# Altium PCB JDR2812（公开）.PcbDoc (part 1 of 3) (continued)
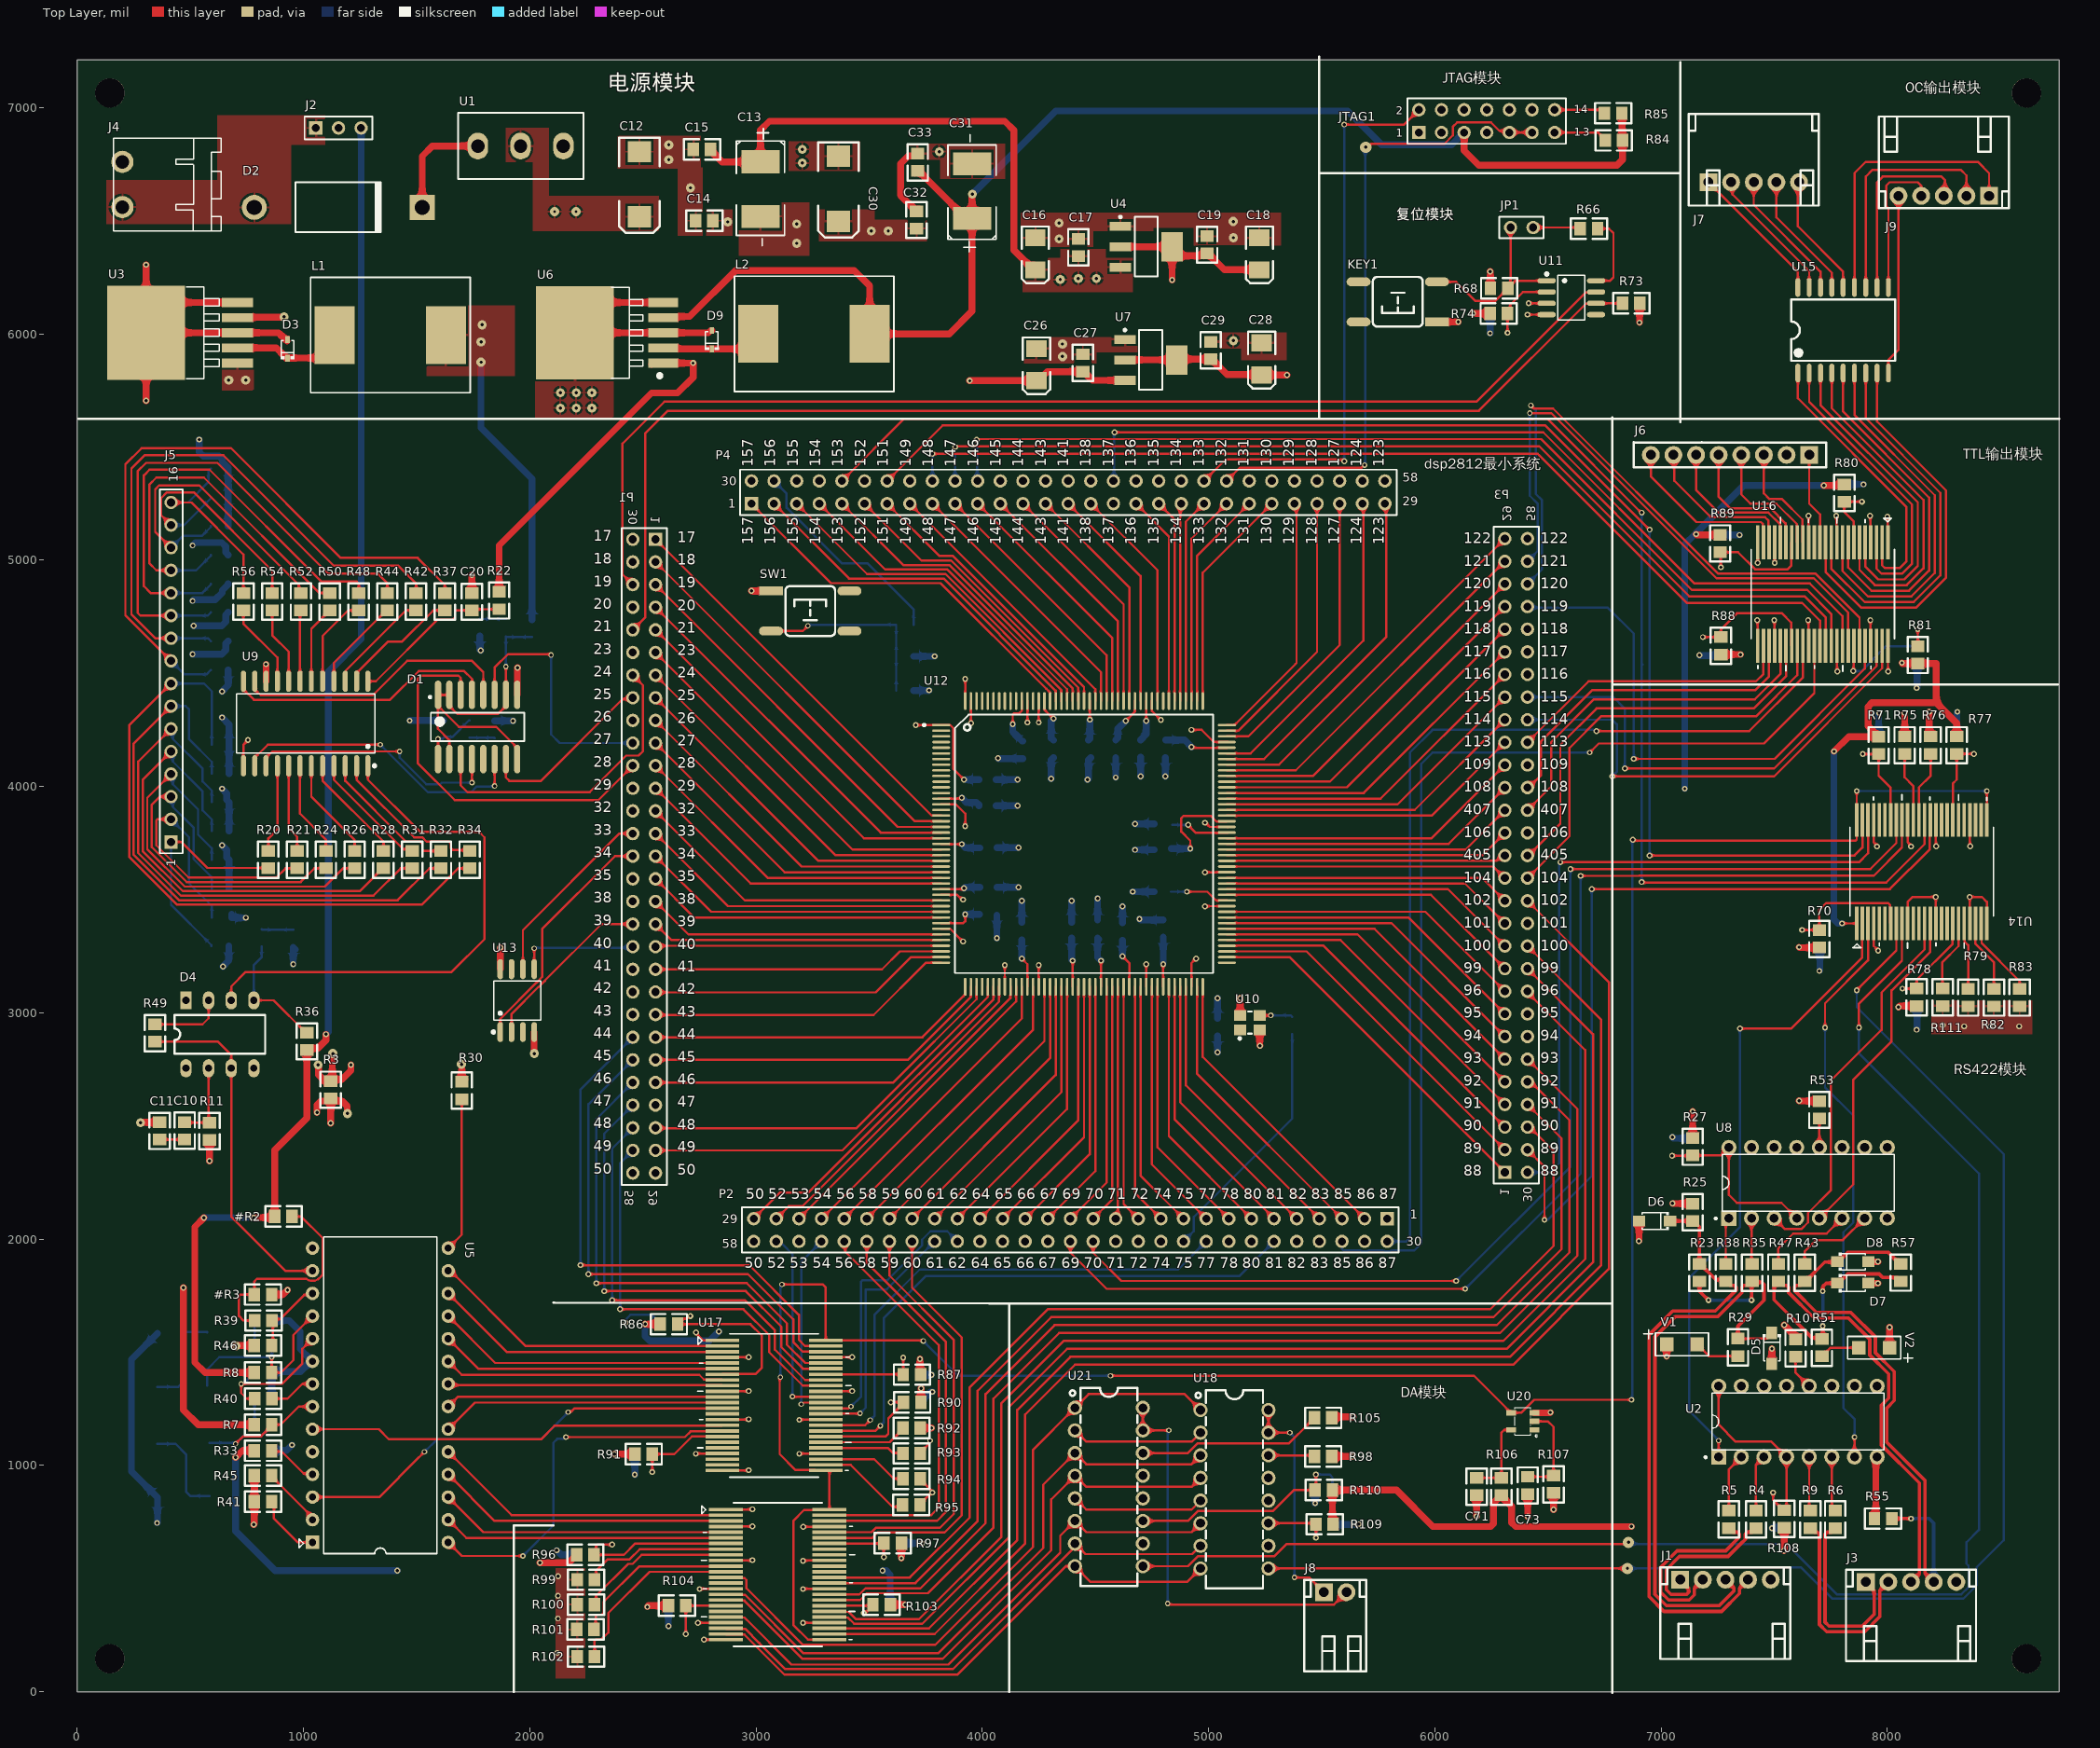
[diagram p0: Top Layer view]
## Footprints (in the part's own frame and the unit in brackets; to place one, negate y for a bottom-side part, rotate by r counter-clockwise, add the part's x,y. Pads: shape width x height; smd on the part's side, far side on the other; paste and mask are expansions set on the pad) (continued)
  silkscreen extent -8.61,-8.05 8.66,8.05
CQFP172 [mm]
  oval 2x0.28 smd: 1(0,0) 2(0,-0.635) 3(0,-1.27) 4(0,-1.905) 5(0,-2.54) 6(0,-3.175) 7(0,-3.81) 8(0,-4.445) 9(0,-5.08) 10(0,-5.715) 11(0,-6.35) 12(0,-6.985) 13(0,-7.62) 14(0,-8.255) 15(0,-8.89) 16(0,-9.525) 17(0,-10.16) 18(0,-10.795) 19(0,-11.43) 20(0,-12.065) 21(0,-12.7) 22(0,-13.335) 23(0,-13.97) 24(0,-14.605) 25(0,-15.24) 26(0,-15.875) 27(0,-16.51) 28(0,-17.145) 29(0,-17.78) 30(0,-18.415) 31(0,-19.05) 32(0,-19.685) 33(0,-20.32) 34(0,-20.955) 35(0,-21.59) 36(0,-22.225) 37(0,-22.86) 38(0,-23.495) 39(0,-24.13) 40(0,-24.765) 41(0,-25.4) 42(0,-26.035) 43(0,-26.67) 87(32.07,-26.67) 88(32.07,-26.035) 89(32.07,-25.4) 90(32.07,-24.765) 91(32.07,-24.13) 92(32.07,-23.495) 93(32.07,-22.86) 94(32.07,-22.225) 95(32.07,-21.59) 96(32.07,-20.955) 97(32.07,-20.32) 98(32.07,-19.685) 99(32.07,-19.05) 100(32.07,-18.415) 101(32.07,-17.78) 102(32.07,-17.145) 103(32.07,-16.51) 104(32.07,-15.875) 105(32.07,-15.24) 106(32.07,-14.605) 107(32.07,-13.97) 108(32.07,-13.335) 109(32.07,-12.7) 110(32.07,-12.065) 111(32.07,-11.43) 112(32.07,-10.795) 113(32.07,-10.16) 114(32.07,-9.525) 115(32.07,-8.89) 116(32.07,-8.255) 117(32.07,-7.62) 118(32.07,-6.985) 119(32.07,-6.35) 120(32.07,-5.715) 121(32.07,-5.08) 122(32.07,-4.445) 123(32.07,-3.81) 124(32.07,-3.175) 125(32.07,-2.54) 126(32.07,-1.905) 127(32.07,-1.27) 128(32.07,-0.635) 129(32.07,0)
  oval 0.28x2 smd: 44(2.7,-29.37) 45(3.335,-29.37) 46(3.97,-29.37) 47(4.605,-29.37) 48(5.24,-29.37) 49(5.875,-29.37) 50(6.51,-29.37) 51(7.145,-29.37) 52(7.78,-29.37) 53(8.415,-29.37) 54(9.05,-29.37) 55(9.685,-29.37) 56(10.32,-29.37) 57(10.955,-29.37) 58(11.59,-29.37) 59(12.225,-29.37) 60(12.86,-29.37) 61(13.495,-29.37) 62(14.13,-29.37) 63(14.765,-29.37) 64(15.4,-29.37) 65(16.035,-29.37) 66(16.67,-29.37) 67(17.305,-29.37) 68(17.94,-29.37) 69(18.575,-29.37) 70(19.21,-29.37) 71(19.845,-29.37) 72(20.48,-29.37) 73(21.115,-29.37) 74(21.75,-29.37) 75(22.385,-29.37) 76(23.02,-29.37) 77(23.655,-29.37) 78(24.29,-29.37) 79(24.925,-29.37) 80(25.56,-29.37) 81(26.195,-29.37) 82(26.83,-29.37) 83(27.465,-29.37) 84(28.1,-29.37) 85(28.735,-29.37) 86(29.37,-29.37) 130(29.37,2.7) 131(28.735,2.7) 132(28.1,2.7) 133(27.465,2.7) 134(26.83,2.7) 135(26.195,2.7) 136(25.56,2.7) 137(24.925,2.7) 138(24.29,2.7) 139(23.655,2.7) 140(23.02,2.7) 141(22.385,2.7) 142(21.75,2.7) 143(21.115,2.7) 144(20.48,2.7) 145(19.845,2.7) 146(19.21,2.7) 147(18.575,2.7) 148(17.94,2.7) 149(17.305,2.7) 150(16.67,2.7) 151(16.035,2.7) 152(15.4,2.7) 153(14.765,2.7) 154(14.13,2.7) 155(13.495,2.7) 156(12.86,2.7) 157(12.225,2.7) 158(11.59,2.7) 159(10.955,2.7) 160(10.32,2.7) 161(9.685,2.7) 162(9.05,2.7) 163(8.415,2.7) 164(7.78,2.7) 165(7.145,2.7) 166(6.51,2.7) 167(5.875,2.7) 168(5.24,2.7) 169(4.605,2.7) 170(3.97,2.7) 171(3.335,2.7) 172(2.7,2.7)
  silkscreen extent -2.03,-27.83 30.53,1.17
DIP8 [mil]
  rect 50x80 hole 32: 1(-149,155)
  oval 50x80 hole 32: 2(-49,155) 3(51,155) 4(151,155) 5(151,-145) 6(51,-145) 7(-49,-145) 8(-149,-145)
  silkscreen extent -199,-80 201,90
DIP28 [mm]
  rect 1.5x1.5 hole 0.813: 1(0,0)
  round 1.5 hole 0.813: 2(0,2.54) 3(0,5.08) 4(0,7.62) 5(0,10.16) 6(0,12.7) 7(0,15.24) 8(0,17.78) 9(0,20.32) 10(0,22.86) 11(0,25.4) 12(0,27.94) 13(0,30.48) 14(0,33.02) 15(15.24,33.02) 16(15.24,30.48) 17(15.24,27.94) 18(15.24,25.4) 19(15.24,22.86) 20(15.24,20.32) 21(15.24,17.78) 22(15.24,15.24) 23(15.24,12.7) 24(15.24,10.16) 25(15.24,7.62) 26(15.24,5.08) 27(15.24,2.54) 28(15.24,0)
  silkscreen extent -1.52,-1.27 13.97,34.29
DO-201AD [mm]
  round 2.8 hole 1.7: 1(-9.064,0.229)
  rect 2.8x2.8 hole 1.7: 2(9.776,0.229)
  silkscreen extent -4.44,-2.57 5.26,3.03
HDR1X3 [mm] "Connector; Header; 3 Position"
  rect 1.5x1.5 hole 0.9: 1(0,0)
  round 1.5 hole 0.9: 2(2.54,0) 3(5.08,0)
  silkscreen extent -1.27,-1.27 6.35,1.27
HDR2X6 [mm] "Connector; Header; 6x2 Position"
  rect 1.5x1.5 hole 0.9: 1(0,0)
  round 1.5 hole 0.9: 2(0,2.54) 3(2.54,0) 4(2.54,2.54) 5(5.08,0) 6(5.08,2.54) 7(7.62,0) 8(7.62,2.54) 9(10.16,0) 10(10.16,2.54) 11(12.7,0) 12(12.7,2.54) 13(15.24,0) 14(15.24,2.54)
  silkscreen extent -1.27,-1.27 16.51,3.81
header8 [mm] "长：14."
  rect 2x2 hole 1.1: 1(-5.08,0)
  round 2 hole 1.1: 2(-2.54,0) 3(0,0) 4(2.54,0) 5(5.08,0) 6(7.62,0) 7(10.16,0) 8(12.7,0)
  silkscreen extent -7,-1.42 14.6,1.39
KAIGUAN [mm]
  oval 2.3x3 hole 1.5: 1(-4.826,0.025) 2(-0.026,0.025) 3(4.774,0.025)
  silkscreen extent -7.04,-3.66 7.04,3.76
KF2EDGK-2.54-WI-2P [mm] "长：6.93mm，宽：10.1mm，高：8.1mm"
  rect 2x2 hole 1.1: 1(2.22,8.898)
  round 2 hole 1.1: 2(4.76,8.898)
  silkscreen extent 0,0 6.98,10.28, body extent 0,0 6.98,10.1, height 8.15
KF2EDGK-2.54-WI-5P#1 [mm] "长：14.6mm，宽：10.1mm，高：8.1mm"
  rect 2x2 hole 1.1: 1(-5.08,0)
  round 2 hole 1.1: 2(-2.54,0) 3(0,0) 4(2.54,0) 5(5.08,0)
  silkscreen extent -7.3,-8.9 7.3,1.39, body extent -7.3,-8.9 7.3,1.2, height 8.15
KF2EDGK-2.54-WI-5P#2 [mm] "长：14.6mm，宽：10.1mm，高：8.1mm"
  rect 2x2 hole 1.1: 1(-5.08,-6.284)
  round 2 hole 1.1: 2(-2.54,-6.284) 3(0,-6.284) 4(2.54,-6.284) 5(5.08,-6.284)
  silkscreen extent -7.3,-8.9 7.3,1.39, body extent -7.3,-8.9 7.3,1.2, height 8.15
OSC-SMD_4P-L3.2-W2.5-BL-1 [mm]
  rect 1.4x1.2 smd paste+0 mask+0.05: 1(-1193.1,-1192.695) 2(-1190.9,-1192.695) 3(-1190.9,-1191.095) 4(-1193.1,-1191.095)
  silkscreen extent -1193.27,-1193.8 -1191.83,-1190.64
PDIP-16_L19.3-W6.4-P2.54-LS7.9-BL [mm]
  rect 1.7x1.7 hole 1: 1(-1192.23,-1192.95)
  round 1.7 hole 1 copper offset 0,0: 2(-1189.69,-1192.95) 3(-1187.15,-1192.95) 4(-1184.61,-1192.95) 5(-1182.07,-1192.95) 6(-1179.53,-1192.95) 7(-1176.99,-1192.95) 8(-1174.45,-1192.95)
  round 1.7 hole 1: 9(-1174.45,-1185.01) 10(-1176.99,-1185.01) 11(-1179.53,-1185.01) 12(-1182.07,-1185.01) 13(-1184.61,-1185.01) 14(-1187.15,-1185.01) 15(-1189.69,-1185.01) 16(-1192.23,-1185.01)
  silkscreen extent -1193.8,-1193.08 -1173.69,-1185.78
PDIP-16_L22.1-W6.3-P2.54-LS7.6-BL [mm]
  round 1.6 hole 1: 1(-1191.403,-1192.94) 2(-1188.863,-1192.94) 3(-1186.323,-1192.94) 4(-1183.783,-1192.94) 5(-1181.243,-1192.94) 6(-1178.703,-1192.94) 7(-1176.163,-1192.94) 8(-1173.623,-1192.94) 9(-1173.623,-1185.32) 10(-1176.163,-1185.32) 11(-1178.703,-1185.32) 12(-1181.243,-1185.32) 13(-1183.783,-1185.32) 14(-1186.323,-1185.32) 15(-1188.863,-1185.32) 16(-1191.403,-1185.32)
  silkscreen extent -1193.61,-1193.51 -1171.41,-1185.93
R0805#1 [mm]
  rect 1.3x1.5 smd: 1(-0.96,-0.102) 2(0.991,-0.102)
  silkscreen extent -2.03,-1.24 2.04,1.04
R0805#2 [mm]
  rect 1.3x1.5 smd: 1(-0.96,0.102) 2(0.991,0.102)
  silkscreen extent -2.03,-1.04 2.04,1.24
SHC1004 [mm]
  rect 4.5x6.5 smd: 1(0,0) 2(12.522,0)
  silkscreen extent -2.67,-6.48 15.24,6.48
SOD-123FL_L2.7-W1.8-LS3.8-RD [mm]
  rect 1.4x1.2 smd: 1(-1193.1,-1192.798) 2(-1189.63,-1192.798)
  silkscreen extent -1192.97,-1193.8 -1189.99,-1191.8
SOD-323_L1.7-W1.3-LS2.5-FD [mm]
  rect 0.78x0.5 smd: 1(-1193.41,-1193.023) 2(-1191.33,-1193.023)
  silkscreen extent -1193.3,-1193.8 -1191.22,-1192.25
SOIC-8_L4.9-W3.9-P1.27-LS6.0-BL [mm]
  oval 0.588x2.045 smd: 1(-1192.903,-1192.777) 2(-1191.633,-1192.777) 3(-1190.363,-1192.777) 4(-1189.093,-1192.777) 5(-1189.093,-1187.233) 6(-1190.363,-1187.233) 7(-1191.633,-1187.233) 8(-1192.903,-1187.233)
  silkscreen extent -1193.8,-1192.93 -1188.47,-1188.48
SOIC-8_L5.3-W5.3-P1.27-LS8.0-BL [mm]
  oval 0.63x2.25 smd: 1(-1192.883,-1192.675) 2(-1191.613,-1192.675) 3(-1190.343,-1192.675) 4(-1189.073,-1192.675) 5(-1189.073,-1185.615) 6(-1190.343,-1185.615) 7(-1191.613,-1185.615) 8(-1192.883,-1185.615)
  silkscreen extent -1193.8,-1192.82 -1188.34,-1186.97
SOIC-18_L11.6-W7.5-P1.27-LS10.3-BL [mm]
  oval 0.56x2.1 smd: 1(-1193.038,-1192.75) 2(-1191.768,-1192.75) 3(-1190.498,-1192.75) 4(-1189.228,-1192.75) 5(-1187.958,-1192.75) 6(-1186.688,-1192.75) 7(-1185.418,-1192.75) 8(-1184.148,-1192.75) 9(-1182.878,-1192.75) 10(-1182.878,-1183.15) 11(-1184.148,-1183.15) 12(-1185.418,-1183.15) 13(-1186.688,-1183.15) 14(-1187.958,-1183.15) 15(-1189.228,-1183.15) 16(-1190.498,-1183.15) 17(-1191.768,-1183.15) 18(-1193.038,-1183.15)
  silkscreen extent -1193.8,-1191.38 -1182.12,-1184.52
SOIC-24_L15.4-W7.5-P1.27-LS10.3-BL [mil]
  oval 22.6x94.02 smd: 1(-46964.98,46952.99) 2(-46914.98,46952.99) 3(-46864.98,46952.99) 4(-46814.98,46952.99) 5(-46764.98,46952.99) 6(-46714.98,46952.99) 7(-46664.98,46952.99) 8(-46614.98,46952.99) 9(-46564.98,46952.99) 10(-46514.98,46952.99) 11(-46464.98,46952.99) 12(-46414.98,46952.99) 13(-46414.98,46579.45) 14(-46464.98,46579.45) 15(-46514.98,46579.45) 16(-46564.98,46579.45) 17(-46614.98,46579.45) 18(-46664.98,46579.45) 19(-46714.98,46579.45) 20(-46764.98,46579.45) 21(-46814.98,46579.45) 22(-46864.98,46579.45) 23(-46914.98,46579.45) 24(-46964.98,46579.45)
  silkscreen extent -47000,46635 -46384,46959
SOP16 [mm]
  oval 3.2x0.7 smd: 1(2.162,-1.524) 2(2.162,-0.254) 3(2.162,1.016) 4(2.162,2.286) 5(2.162,3.556) 6(2.162,4.826) 7(2.162,6.096) 8(2.162,7.366) 9(9.37,7.366) 10(9.37,6.096) 11(9.37,4.826) 12(9.37,3.556) 13(9.37,2.286) 14(9.37,1.016) 15(9.37,-0.254) 16(9.37,-1.524)
  silkscreen extent 2.29,-2.55 7.37,8.17
SOT223 [mm]
  rect 2.4x1 smd: 1(-2.9,2.427) 2(-2.9,0.127) 3(-2.9,-2.173)
  rect 2.4x3.3 smd: 2(2.9,0.127)
  silkscreen extent -3.02,-3.22 1.3,3.6
SOT-23-5_L3.0-W1.7-P0.95-LS2.8-BR [mm]
  rect 1.1x0.6 smd: 1(-1190.65,-1192.972) 2(-1190.65,-1192.022) 3(-1190.65,-1191.072) 4(-1193.25,-1191.072) 5(-1193.25,-1192.972)
  silkscreen extent -1192.85,-1193.8 -1190.3,-1190.47
TO-263-5_L10.1-W8.7-P1.70-LS14.4-BR [mm]
  rect 3.359x1.02 smd: 1(-1179.553,-1191.984) 2(-1179.553,-1190.284) 3(-1179.553,-1188.584) 4(-1179.553,-1186.884) 5(-1179.553,-1185.184)
  rect 8.7x10.431 smd: 6(-1189.45,-1188.584)
  silkscreen extent -1185.38,-1193.68 -1179.73,-1183.49
TO-263-5_L10.2-W8.6-P1.70-LS14.4-BR [mm]
  rect 3.5x1.02 smd: 1(-1179.195,-1191.906) 2(-1179.195,-1190.206) 3(-1179.195,-1188.506) 4(-1179.195,-1186.806) 5(-1179.195,-1185.106)
  rect 8.705x10.587 smd: 6(-1189.447,-1188.506)
  silkscreen extent -1184.94,-1193.67 -1181.21,-1183.34
"TSW SMD-6*6*6" [mm] "6*6*6mm"
  rect 2.7x1 smd: 1(-4.4,2.261)
  oval 2.7x1 smd: 2(-4.4,-2.239) 3(4.4,-2.239) 4(4.4,2.261)
  silkscreen extent -2.79,-2.79 2.79,2.79, body extent -4.5,-3 4.5,3, height 5.95
"钽电容 B壳(3528)" [mil]
  rect 75x90 smd: 1(-68.87,-0.01) 2(72.86,-0.01)
  silkscreen extent -128,-60 122,60, body extent -67,-55 71,55, height 75
"钽电容 C壳(6032)" [mm]
  rect 2.2x2.2 smd: 1(-3,0) 2(3,0)
  silkscreen extent -4.7,-1.78 4.44,1.78, body extent -3,-1.6 3,1.6, height 2.5
"钽电容 D壳(7343)" [mm]
  rect 2.6x4.3 smd: 1(-2.834,-6.004) 2(3.301,-6.004)
  silkscreen extent -6.59,-8.7 6.56,-3.3
"钽电容 E壳(7342H)" [mm]
  rect 2.4x2.6 smd: 1(-3.625,0) 2(3.675,0)
  silkscreen extent -5.44,-2.29 5.23,2.29, body extent -3.62,-2.15 3.68,2.15, height 4

## Part data
#R2 #R3 R4 R5 R6 R7 R8 R9 R12 R13 R14 R15 R16 R17 R18 R19 R20 R21 R22 R24 R26 R27 R28 R30 R31 R32 R33 R34 R37 R39 R40 R41 R42 R44 R45 R46 R48 R49 R50 R52 R53 R54 R56 R58 R59 R60 R61 R62 R63 R64 R65 R66 R73 R74 R84 R85 R88 R89 R98 R105 R106 R108 R109 R110: library part R0805, 1_器件名称=片式电阻器, 4_封装=R0805
  #R2 #R3: 2_型号规格=RM2012MBXXXFM
  R4 R5 R6 R7 R8 R9 R12 R13 R14 R15 R16 R17 R18 R19 R20 R21 R22 R24 R26 R27 R28 R30 R31 R32 R33 R34 R37 R40 R41 R42 R44 R45 R46 R48 R50 R52 R53 R54 R56 R58 R59 R60 R61 R62 R63 R64 R65 R66 R73 R74 R84 R85 R88 R89 R98 R105 R106 R108 R109 R110: 2_型号规格=RM2012MB510FM
  R39: 2_型号规格=RM2012MB0FM
  R49: 2_型号规格=RM2012MB101FM
C1 C2 C3 C4 C10 C11 C22 C23: library part C0805, 1_器件名称=瓷介片式电容器, 2_型号规格=CTK41L-0805-BY-100V-104K, 4_封装=C0805
C5 C6 C7 C8 C9 C20 C21 C24 C25 C34 C35 C53 C54 C55 C56 C57 C58 C59 C60 C61 C62 C63 C64 C65 C66 C67 C68 C69 C70 C71 C72 C73: library part CAP, "Capacitor"
C12 C30: library part TAJE107M025RNJ, Equivalent Series Resistance(ESR)=300mΩ@100kHz, JLCPCB Part Class="Extended Part", LCSC Part Name="100uF ±20% 25V", Manufacturer="Kyocera AVX", Operating Temperature=-55℃~+125℃, Rated Voltage=25V, Tolerance=±20%, Add into BOM=yes, Comment_1=100uF/25V, Convert to PCB=yes, Datasheet=https://atta.szlcsc.com/upload/public/pdf/source/20160107/1457707750344.pdf, Device=TAJE107M025RNJ, Manufacturer Part=TAJE107M025RNJ, Supplier=LCSC, Supplier Footprint=CASE-E-7343-43(mm), Supplier Part=C7230, Symbol=TAJE107M025RNJ
C13 C16 C18 C26 C28 C31: library part "Cap Pol1", "Polarized Capacitor (Radial)", LatestRevisionDate=17-Jul-2002, LatestRevisionNote="Re-released for DXP Platform.", PackageReference=RB7.6-15, Published=8-Jun-2000, Publisher="Altium Limited"
C14 C15 C32 C33: library part CAP_1, "Capacitor", 1_器件名称=瓷介片式电容器, 2_型号规格=CT41L-0805-2C1-100V-104-K, 3_质量等级=J, 4_所属图号=Ru7.820.3508, 5_生产厂家=715-6厂
C17 C19 C27 C29 C36 C37 C39 C40 C41 C42 C43 C44 C45 C46 C47 C48 C49 C50 C51 C52 C74 C75 C76: library part Cap, "Capacitor", LatestRevisionDate=17-Jul-2002, LatestRevisionNote="Re-released for DXP Platform.", Published=8-Jun-2000, Publisher="Altium Limited"
  C17 C19 C27 C29: PackageReference=RAD-0.3
CT1 CT2 CT3 CT4: library part 钽电容C壳, 1_器件名称=片式钽电解质电容器, 4_封装=钽电容C壳
  CT1: 2_型号规格=CA45-C025K226T
  CT2 CT3 CT4: 2_型号规格=CAK45-C-25V-22uF-K
D1: library part CC40109, 1_器件名称=四低高电平转换器, 2_型号规格=JC40109R, 4_封装=DIP16, 5_生产厂家=北京宇翔
D2: library part DIODE, "Diode"
D3 D9: library part B5819WS_C7420331, Average Rectified Current (Io)=1A, Forward Voltage (Vf@If)=600mV@1.0A, JLCPCB Part Class="Extended Part", LCSC Part Name="电压:40V 电流:1A", Manufacturer=宏迦橙, Manufacturer Part=B5819WS, Peak forward surge current=10A, Reverse Leakage Current (Ir)=1mA@40V, Reverse Voltage (Vr)=40V, Add into BOM=yes, Comment_1=B5819WS, Convert to PCB=yes, Datasheet=https://atta.szlcsc.com/upload/public/pdf/source/20230828/03CA0F4F90DAE368A7153B7B5E4D0651.pdf, Device=B5819WS_C7420331, Diode Configuration=独立式, Supplier=LCSC, Supplier Footprint=SOD-323, Supplier Part=C7420331, Symbol=B5819WS_C7420331
D4: library part 7FOP07, 1_器件名称=运放, 2_型号规格=OP07ARDC, 4_封装=DIP8, 5_生产厂家=771厂
D5 D7 D8: library part SMF5.0A_C908213, Breakdown Voltage=6.4V, JLCPCB Part Class="Extended Part", Manufacturer=FUXINSEMI(富芯森美), Maximum Clamping Voltage=9.2V, Peak Pulse Current (Ipp)@10/1000us=21.7A, Reverse Leakage Current (Ir)=800uA, Reverse Stand-Off Voltage (Vrwm)=5V, Add into BOM=yes, Comment_1=SMF5.0A, Convert to PCB=yes, Datasheet=https://atta.szlcsc.com/upload/public/pdf/source/20201023/C908211_2B6F82B5D5E79B5CF282141215A9A141.pdf, Device=SMF5.0A_C908213, LCSC Part Name=SMF5.0A, Manufacturer Part=SMF5.0A, Supplier=LCSC, Supplier Footprint=SOD-123, Supplier Part=C908213, Symbol=SMF5.0A_C908213, Type=TVS
D6: Breakdown Voltage=6.4V, JLCPCB Part Class="Extended Part", LCSC Part Name=SMF5.0A, Manufacturer=FUXINSEMI(富芯森美), Maximum Clamping Voltage=9.2V, Peak Pulse Current (Ipp)@10/1000us=21.7A, Reverse Leakage Current (Ir)=800uA, Reverse Stand-Off Voltage (Vrwm)=5V, Add into BOM=yes, Comment_1=SMF5.0A, Convert to PCB=yes, Datasheet=https://atta.szlcsc.com/upload/public/pdf/source/20201023/C908211_2B6F82B5D5E79B5CF282141215A9A141.pdf, Device=SMF5.0A_C908213, Manufacturer Part=SMF5.0A, Supplier=LCSC, Supplier Footprint=SOD-123, Supplier Part=C908213, Symbol=SMF5.0A_C908213, Type=TVS
J1 J3 J6 J7 J9: "Header, 5-Pin", LatestRevisionDate=17-Jul-2002, LatestRevisionNote="Re-released for DXP Platform.", Publisher="Altium Limited"
J2: "Header, 3-Pin", LatestRevisionDate=17-Jul-2002, LatestRevisionNote="Re-released for DXP Platform.", Publisher="Altium Limited"
J4: library part "Header 2", "接插件", LatestRevisionDate=17-Jul-2002, LatestRevisionNote="Re-released for DXP Platform.", Publisher="Altium Limited"
J5: library part 单排针16_1
J8: "Header, 2-Pin", LatestRevisionDate=17-Jul-2002, LatestRevisionNote="Re-released for DXP Platform.", Publisher="Altium Limited"
JTAG1: "Header, 7-Pin, Dual row", Publisher="Altium Limited", Revision="17-Jul-2002: Re-released for DXP Platform."
KEY1 SW1: library part SW-PB
L1 L2: library part INDUCTOR
R1 R2 R3 R11 R36: library part R1206, 1_器件名称=片式电阻器, 4_封装=R1206
  R1: 2_型号规格=RM3216MB510FM
  R2: 2_型号规格=RM3216MB201FM
  R3: 2_型号规格=RM3216MB5R1FM
  R11 R36: 2_型号规格=RM3216MB301FM
R10 R70 R71 R75 R76 R77 R78 R79 R80 R81 R82 R83 R86 R87 R90 R91 R92 R93 R94 R95 R96 R97 R99 R100 R101 R102 R103 R104 R107 R111: library part RMK3216, "电阻器", 1_器件名称=片式电阻器, 2_型号规格=RM3216-0.25W-5.1Ω±1%, 3_质量等级=J, 4_所属图号=Ru7.820.3508, 5_生产厂家=718厂
R23 R25 R29 R35 R38 R43 R47 R51 R55 R57 R67 R68 R69 R72: library part Res2, "Resistor", LatestRevisionDate=17-Jul-2002, LatestRevisionNote="Re-released for DXP Platform.", PackageReference=AXIAL-0.4, Published=8-Jun-2000, Publisher="Altium Limited"
U2 U8: JLCPCB Part Class="Extended Part", Manufacturer=TI(德州仪器), Operating Temperature=-40℃~+85℃, Supply Voltage=4.5V~5.5V, Add into BOM=yes, Convert to PCB=yes, Supplier=LCSC, Supplier Footprint=PDIP-16
  U2: Comment_1=AM26C31IN, Datasheet=https://www.ti.com/cn/lit/gpn/am26c31, Device=AM26C31IN, LCSC Part Name=AM26C31IN, Manufacturer Part=AM26C31IN, Supplier Part=C2859571, Symbol=AM26C31IN
  U8: Comment_1=AM26C32IN, Datasheet=https://www.ti.com/cn/lit/gpn/am26c32, Device=AM26C32IN, Driver/receiver=0/4, LCSC Part Name=AM26C32IN, Manufacturer Part=AM26C32IN, Supplier Part=C1544607, Symbol=AM26C32IN, Types=接收器
U3: library part LM2596S-5.0/NOPB, Input Voltage=4.5V~40V, JLCPCB Part Class="Extended Part", Manufacturer=TI(德州仪器), Operating Temperature=-40℃~+125℃@(TJ), Output Current (Max)=3A, Output Voltage=5V, Switching Frequency=150kHz, Add into BOM=yes, Comment_1=LM2596S-5.0/NOPB, Convert to PCB=yes, Datasheet=https://www.ti.com/cn/lit/gpn/lm2596, Device=LM2596S-5.0/NOPB, Function=降压型, LCSC Part Name=LM2596S-5.0/NOPB, Manufacturer Part=LM2596S-5.0/NOPB, Number of Outputs=1, Output Type=固定, Supplier=LCSC, Supplier Footprint=TO-263-5, Supplier Part=C116713, Switch tube (built-in/external)=内置, Symbol=LM2596S-5.0/NOPB, Synchronous Rectification=否, Topology=降压式
U4: library part AMS1117-XX, "3.3V稳压"
U5: JLCPCB Part Class="Extended Part", LCSC Part Name=AD574AJNZ, Manufacturer=ADI(亚德诺), Operating Temperature=0℃~+70℃, Supply Voltage=11.4V~16.5V, Add into BOM=yes, Comment_1=AD574AJNZ, Convert to PCB=yes, Datasheet=https://atta.szlcsc.com/upload/public/pdf/source/20210701/D414F4257B4C2C4D5A1A94707AAC65B9.pdf, Device=AD574AJNZ, Interface=并行, Manufacturer Part=AD574AJNZ, number of channels=1, resolution=12位, Supplier=LCSC, Supplier Footprint=PDIP-28, Supplier Part=C650206, Symbol=AD574AJNZ
U6: library part LM2596S-3.3/NOPB, Input Voltage=4.5V~40V, JLCPCB Part Class="Extended Part", Manufacturer=TI(德州仪器), Operating Temperature=-40℃~+125℃@(TJ), Output Current (Max)=3A, Output Voltage=3.3V, Switching Frequency=150kHz, Add into BOM=yes, Comment_1=LM2596S-3.3/NOPB, Convert to PCB=yes, Datasheet=https://www.ti.com/cn/lit/gpn/lm2596, Device=LM2596S-3.3/NOPB, Function=降压型, LCSC Part Name=LM2596S-3.3/NOPB, Manufacturer Part=LM2596S-3.3/NOPB, Number of Outputs=1, Output Type=固定, Supplier=LCSC, Supplier Footprint=TO-263-5, Supplier Part=C2871122, Switch tube (built-in/external)=内置, Symbol=LM2596S-3.3/NOPB, Synchronous Rectification=否, Topology=降压式
U7: library part AMS1117-XX, "1.8V稳压"
U9: JLCPCB Part Class="Extended Part", Manufacturer=TI(德州仪器), On-State Resistance (Max)=240Ω, Supply Voltage=3V~18V, Add into BOM=yes, Comment_1=CD4067BM96, Convert to PCB=yes, Datasheet=https://www.ti.com/cn/lit/gpn/cd4067b, Device=CD4067BM96, LCSC Part Name=CD4067BM96, Manufacturer Part=CD4067BM96, number of channels=1, Supplier=LCSC, Supplier Footprint=SOIC-24-300mil, Supplier Part=C6525, Symbol=CD4067BM96
U10: Frequency Stability(Full temperature range)=±10ppm, JLCPCB Part Class="Extended Part", LCSC Part Name="30MHz ±10ppm 1.8V~3.3V YSO110TR", Manufacturer=YXC(扬兴晶振), Manufacturer Part=OT322530MJBA4SL, Operating Temperature=-40℃~+85℃, Supply Voltage=1.8V~3.3V, Add into BOM=yes, Comment_1=30MHz, Convert to PCB=yes, Datasheet=https://atta.szlcsc.com/upload/public/pdf/source/20210329/C669065_30B18CFE780D377BA4E84F6ED1951959.pdf, Device=OT322530MJBA4SL, Supplier=LCSC, Supplier Footprint=SMD3225-4P, Supplier Part=C2831390, Symbol=OT322530MJBA4SL
U11: JLCPCB Part Class="Extended Part", LCSC Part Name=监视+3V电压、低成本、微处理器监控电路, Manufacturer=ADI(亚德诺)/MAXIM(美信), Number of Voltages Monitored=1, Operating Temperature=-40℃~+85℃@(TA), Threshold Voltage=3.08V, Add into BOM=yes, ChipType=简单复位/加电复位, Comment_1=MAX706TESA+T, Convert to PCB=yes, Datasheet=https://atta.szlcsc.com/upload/public/pdf/source/20180629/C192393_74229EDE73756E54B9F877AA97A0ADB9.pdf, Device=MAX706TESA+T, Manufacturer Part=MAX706TESA+T, Output Type=推挽, Reset Active Level=低电平有效, Reset Timeout=140ms, Supplier=LCSC, Supplier Footprint=SOIC-8, Supplier Part=C143580, Symbol=max706tesa+t
U13: JLCPCB Part Class="Extended Part", LCSC Part Name=W25Q32JVSSIQ, Manufacturer=WINBOND(华邦), Operating Temperature=-40℃~+85℃, Supply Voltage=2.7V~3.6V, Add into BOM=yes, Comment_1=W25Q32JVSSIQ, Convert to PCB=yes, Datasheet=https://atta.szlcsc.com/upload/public/pdf/source/20160910/1473490310454.pdf, Device=W25Q32JVSSIQ_C82344, Interface Type=SPI, Manufacturer Part=W25Q32JVSSIQ, Memory Size=32Mbit, Page Programming Time (Tpp)=3ms, Supplier=LCSC, Supplier Footprint=SOIC-8-208mil, Supplier Part=C82344, Symbol=W25Q32JVSSIQ
U14 U16 U17 ?: JLCPCB Part Class="Extended Part", Manufacturer=TI(德州仪器), Operating Temperature=-40℃~+85℃, Supply Voltage (VCCA)=2.3V~3.6V, Supply Voltage (VCCB)=3V~5.5V, Add into BOM=yes, Channel Type=双向, Channels per Circuit=8, Comment_1=SN74ALVC164245DL, Convert to PCB=yes, Datasheet=https://www.ti.com/cn/lit/gpn/sn74alvc164245, Device=SN74ALVC164245DL, LCSC Part Name=SN74ALVC164245DL, Manufacturer Part=SN74ALVC164245DL, Number of Circuits=2, Output Type=非反相；三态, Supplier=LCSC, Supplier Footprint=SSOP-48-300mil, Supplier Part=C354158, Symbol=SN74ALVC164245DL
U15: JLCPCB Part Class="Extended Part", LCSC Part Name=停产, Manufacturer=TI(德州仪器), Add into BOM=yes, Comment_1=ULN2803ADWR, Convert to PCB=yes, Datasheet=https://www.ti.com/cn/lit/gpn/uln2803a, Device=ULN2803ADWR, Manufacturer Part=ULN2803ADWR, Supplier=LCSC, Supplier Footprint=SOIC-18-300mil, Supplier Part=C9683, Symbol=uln2803adwr
U18 U21: JLCPCB Part Class="Extended Part", LCSC Part Name=电压输出8位数模转换器，集成输出放大器、完全微处理器接口和精密基准电压源, Manufacturer=ADI(亚德诺), Operating Temperature=0℃~+70℃, Supply Voltage=4.5V~16.5V, Add into BOM=yes, Comment_1=AD558JNZ, Convert to PCB=yes, Datasheet=https://atta.szlcsc.com/upload/public/pdf/source/20150821/1457707347677.pdf, Device=AD558JNZ, Integral nonlinearity=±0.5LSB, Interface=并行, Manufacturer Part=AD558JNZ, Output Type=电压-缓冲, resolution=8位, Settling Time=3us, Supplier=LCSC, Supplier Footprint=PDIP-16, Supplier Part=C55750, Symbol=ad558jnz
U20: JLCPCB Part Class="Extended Part", LCSC Part Name=单路施密特触发反相器, Manufacturer=TI(德州仪器), Operating Temperature=-40℃~+125℃, Sink Current=32mA, Supply Current (Max)=10uA, Supply Voltage(Single)=1.65V~5.5V, Add into BOM=yes, Comment_1=SN74LVC1G14DBVR, Convert to PCB=yes, Datasheet=https://www.ti.com/cn/lit/gpn/sn74lvc1g14, Device=SN74LVC1G14DBVR, High level range (VIH)=1.16V~3.33V, Input Type=施密特触发器, Low level range (VIL)=390mV~1.87V, Manufacturer Part=SN74LVC1G14DBVR, Max Propagation Delay=6.5ns@2.5V,50pF, Number of Circuits=1, Number of Inputs=1, Series=74LVC系列, Source Current=32mA, Supplier=LCSC, Supplier Footprint=SOT-23-5, Supplier Part=C7835, Symbol=SN74LVC1G14DBVR
V1 V2: library part "Diode 1N4007_1", "1 Amp General Purpose Rectifier", Code_JEDEC=DO-204-AL, ComponentLink1Description="Manufacturer Link", ComponentLink1URL=http://www.fairchildsemi.com/, ComponentLink2Description=Datasheet, ComponentLink2URL=http://www.fairchildsemi.com/ds/1N%2F1N4001.pdf, DatasheetVersion=1998, LatestRevisionDate=17-Jul-2002, LatestRevisionNote="Re-released for DXP Platform.", PackageReference=DO-41, PackageVersion=Aug-1999, Published=8-Jun-2000, Publisher="Altium Limited"

## Free pads (board coordinates)
  round 129.92 hole 129.92: 1(145,145) 1(145,7065) 1(8615,145) 1(8615,7065)

## Via types
v1: diameter 26, hole 14, Top Layer to Bottom Layer, tented both sides, 261 vias
v2: diameter 40, hole 14, Top Layer to Bottom Layer, tented both sides, 43 vias
v3: diameter 24, hole 14, Top Layer to Bottom Layer, tented both sides, 42 vias
v4: diameter 26, hole 12, Top Layer to Bottom Layer, 8 vias
v5: diameter 26, hole 12, Top Layer to Bottom Layer, tented both sides, 5 vias
v6: diameter 50, hole 14, Top Layer to Bottom Layer, tented both sides, 3 vias

## Nets (pads, with @x,y where several pads share a name; then routed paths per layer and width w, separated by ;. In a path a pad name is that pad's centre, name@x,y a point inside that pad or via, vN(x,y) a via of type N, cw(c..) or ccw(c..) an arc to the next point about the centre after c; other vN are vias at no path point)
1.8V: C28.1 C29.2 C36.1 C39.1 C40.2 C41.2 C42.2 C43.2 C44.2 C45.2 C46.2 C47.2 U7.2 U12.22 U12.36 U12.55 U12.73 U12.98 U12.110 U12.125 U12.140 U12.150 U12.158 | length 2930.8
  Top Layer w10: U12.22@3818.7,3746.3 3852.84,3746.3 3854.14,3745 v1(3910,3745) ; U12.36@3819.41,3396.5 3916.5,3396.5 3925,3405 v1(3925,3435) ; v1(4175,3240) 4200,3215 U12.55@4200,3115 ; U12.158@4275,4377.6 4275.2,4377.4 4275.2,4339.54 4314.73,4300 v1(4315,4300) ; U12.150@4475,4377.6 4475.2,4377.4 4475.2,4295.46 v1(4475.46,4295.19) ; v1(4620,3250) 4650,3220 U12.73@4650,3115 ; v1(4725,4290) U12.140@4725,4377.6 ; v1(4905,3535) 4995,3535 5033.7,3496.3 U12.98@5081.3,3496.3 ; v1(4910,3830) 4945,3795 5045.86,3795 5046.97,3796.1 5085.29,3796.1 U12.110@5085.57,3795.83 ; v1(4925,4175) 4929.33,4175 4933.03,4171.3 U12.125@5081.3,4171.3
  Top Layer w30: U7.2@4630.83,5885 U7.2@4859.17,5885 4862.37,5888.2 C29.2@5010,5888.2 5013.94,5888.2 5082.13,5820 5233.27,5820 C28.1@5235,5818.27 5346.67,5818.27 v1(5347.16,5817.78)
  Bottom Layer w10: C47.2@4834.9,3535 C47.2@4836.8,3535 v1(4905,3535) ; C44.2@4839.9,3830 v1(4910,3830) ; v1@4920.67,4175 v1(4925,4175)
  Bottom Layer w30: v1(3910,3745) 3926,3729 C40.2@3989.1,3729 ; v1(3925,3435) C46.2@3988.2,3435 ; v1(4175,3240) C41.2@4175,3323.2 ; C42.2@4315,4204 4305,4214 4305,4290 v1(4315,4300) ; C36.1@4470,4205 4475.46,4210.46 v1(4475.46,4295.19) ; v1(4620,3250) C45.2@4620,3320.1 ; C43.2@4700,4205.9 4725,4230.9 v1(4725,4290) ; C39.1@4810.45,4205 4895,4205 v1(4925,4175)
3.3V: ?.24 C31.1 C33.1 C53.2 JTAG1.5 L2.2 R68.2 R71.1 R74.1 R77.2 R81.1 R84.2 R85.1 R86.1 R87.1 R88.1 R90.2 R97.1 R103.2 R107.1 U6.4 U10.4 U14.1 U16.1 U16.24 U17.24 | length 9683.5
  Top Layer w10: v1(2770,230) ?.24@2867.76,230 ; U17.24@2851.38,977.5 v1@2967.13,977.5 ; v1(7427.93,4988) 7427.71,4988.21 7427.71,5077.59 U16.24@7428.12,5078 ; v1(7800,3395) U14.1@7865,3395 ; U16.1@8001.88,5079.25 v1@8001.88,5190.37
  Top Layer w30: v1(2510,1625) 2511,1624 R86.1@2577.2,1624 ; U6.4@2589.63,6071.93 2594.71,6077.01 2707.01,6077.01 2910,6280 3435,6280 3503,6212 L2.2@3503,6000 3855,6000 3955,6100 C31.1@3955,6510 ; R103.2@3593.7,385 v1(3659.9,385) ; v1(3642.8,589.8) R97.1@3642.8,656 ; C33.1@3715,6720 3718.94,6720 3885.35,6553.58 3885.35,6546.18 3921.54,6510 C31.1@3955,6510 ; v1(3725,1470) 3725,1403.8 R87.1@3727.8,1401 ; R90.2@3730,1285.6 v1(3730,1340) ; v2(3956.95,6616.86) 3955,6614.9 C31.1@3955,6510 ; U10.4@5140,2988 v1(5140,3065) ; JTAG1.5@6130,6890 6130,6810 6195,6745 6805,6745 6830,6770 R84.2@6830,6855 6828.4,6856.6 6828.4,6973.4 R85.1@6826.8,6975 ; v1(6170,6090) R74.1@6245,6090 ; v1(6245,6275) 6246,6274 R68.2@6246,6201 ; v1(6525,805) R107.1@6525,878.2 ; R88.1@7265,4583.2 v1(7351.8,4583.2) ; v1(7764.54,4154.8) 7829.73,4220 R71.1@7958.06,4220 ; R71.1@7962,4220 R71.1@7958.06,4220 ; v1(8064.99,4546.39) 8068.18,4543.2 R81.1@8135,4543.2 8215.61,4543.2 8215.93,4542.88 8215.93,4370.33 ; R77.2@8307,4220.9 8307,4279.26 8215.93,4370.33 ; R71.1@7958.06,4220 7947.47,4230.59 7947.47,4234.53 7915,4267 7915,4352.43 7932.57,4370 8215.59,4370 8215.93,4370.33
  Bottom Layer w30: v1(2510,1625) 2510,1570 2530,1550 2793.67,1550 v1(2835.89,1592.22) ; v2(3956.95,6616.86) 4325.1,6985 5615.33,6985 5764.85,6835.47 6075.47,6835.47 JTAG1.5@6130,6890 ; C53.2@5040,2975 v1(5040,3065) ; v1(7764.54,4154.8) 7764.54,3412.57 7782.11,3395 v1(7800,3395)
  other v1: 2968.38,978.75 8000.62,5191.62
3.3V_1: C18.1 C19.2 C37.2 C48.2 C49.2 C50.2 C51.1 C52.2 C74.2 C75.2 C76.2 R67.1 U4.2 U12.1 U12.14 U12.30 U12.63 U12.68 U12.79 U12.112 U12.142 U12.162 U13.8 | length 3393.1
  Top Layer w10: v1(3706.3,4271.3) U12.1@3818.7,4271.3 ; U12.14@3805.47,3946.3 U12.14@3818.7,3946.3 v1@3901.97,3946.3 ; U12.30@3815.28,3546.1 3815.47,3546.3 U12.30@3818.7,3546.3 3911.97,3546.3 3915.67,3550 v1(3920,3550) ; U12.1@3820.28,4271.1 3858.9,4271.1 3873.07,4256.93 3873.07,4076.93 v1(3920,4030) v1@3922.54,4027.46 ; v1(4135,4275) 4135,4317.37 4140.86,4323.23 4163.23,4323.23 4174.87,4334.87 4174.87,4377.46 U12.162@4175,4377.6 ; U12.63@4400,3115 v1(4400,3230) ; U12.68@4525,3115 v1(4525,3230) ; v1(4635,4290) 4675,4330 U12.142@4675,4377.6 ; U12.79@4800,3115 v1@4800,3210 ; v1(4919.73,3725) 4919.73,3760.27 4880,3800 4880,3860 4890,3870 5010,3870 5035,3845 U12.112@5080,3845
  Top Layer w30: U13.8@1870,3192.96 v1(1870,3288.12) ; U4.2@4610.83,6385 U4.2@4839.17,6385 U4.2@4839.17,6377.24 ; v1(4839.17,6238.55) U4.2@4839.17,6377.24 ; C18.1@5225,6283.27 5069.67,6283.27 4997.94,6355 C19.2@4994,6355 4984,6345 4871.42,6345 U4.2@4839.17,6377.24
  Bottom Layer w10: C52.2@4395,3330 C52.2@4400,3325
  Bottom Layer w30: R67.1@3696.8,4575 v1(3790,4575) ; v1(3910,3950) 3930.47,3929.53 3974.41,3929.53 3985,3918.94 C49.2@3985,3915 ; v1(3920,3550) 3925,3555 C51.1@3990,3555 ; v1@3930,4030 C48.2@3985,4030 ; v1(4135,4275) 4135,4241.06 4176.06,4200 C50.2@4180,4200 ; C52.2@4395,3330 4395,3235 v1(4400,3230) ; C75.2@4515,3325 C75.2@4510,3330 4510,3245 v1(4525,3230) ; C74.2@4590,4205 4599.38,4214.38 4599.38,4254.38 v1(4635,4290) ; v1(4800,3215) C37.2@4800,3335 ; C76.2@4835,3725 v1(4919.73,3725)
5V: C13.1 C15.1 C16.1 C17.2 C24.2 C26.1 C27.2 L1.2 R1.2 R27.2 R41.2 R45.2 R70.1 R78.2 R80.1 R89.1 R91.2 R96.1 R104.1 R106.1 R108.2 R109.1 R110.1 U3.4 U4.3 U7.3 V1.1 V2.1 | length 9363.7
  Top Layer w30: U3.4@708.66,6071.93 710.2,6073.47 913.47,6073.47 v2(915,6075) ; v1(780.52,739.48) 783.2,742.16 R41.2@783.2,840 R45.2@783.2,955 ; v1(2045,570) 2173.2,570 2193.67,590.47 2197.61,590.47 2208.2,601.06 R96.1@2208.2,605 ; v1(2375,1050) R91.2@2465,1050 ; v1(2520,375) 2525,380 R104.1@2613.2,380 ; C15.1@2800,6815 2800,6811.06 2851.06,6760 C13.1@3020,6760 3020,6900 3060,6940 4100,6940 4140,6900 4140,6370.77 4227.5,6283.27 C16.1@4235,6283.27 ; v5(3944.85,5793.27) C26.1@4240,5793.27 4247.5,5793.27 4287.43,5833.2 C27.2@4445,5833.2 4448.94,5833.2 4487.69,5794.45 U7.3@4630.83,5794.45 4650.31,5794.45 U7.3@4655,5789.76 ; R109.1@5551.8,740 5547.8,744 R110.1@5547.8,891 5831.2,891 5992.2,730 6247.43,730 6260,742.57 6260,833.2 6280.47,853.67 6280.47,857.61 6291.06,868.2 R106.1@6295,868.2 6298.94,868.2 6309.53,857.61 6309.53,849.73 6340,819.26 6340,747.57 6357.57,730 v1(6870,730) ; v1(7025,1481.61) V1.1@7025,1535 ; R27.2@7140,2446.8 v1(7140,2565) ; v1(7155,5115) 7158.2,5111.8 R89.1@7261.67,5111.8 ; v1(7543.49,624.14) 7545,625.65 R108.2@7545,725 ; v1(7610,3290) 7611.8,3288.2 R70.1@7700,3288.2 ; v1(7720,5330) 7805,5330 R80.1@7810,5335 R80.1@7810.29,5335.29 ; V2.1@8010,1520 v1(8010,1610) ; v1(8050,3025) 8055,3030 R78.2@8130,3030
  Bottom Layer w30: C24.2@860.9,1065 925,1065 v1(950,1090) ; v2(1785,5875) 1785,5585 2010,5360 R1.2@2010,4736.8 ; v1(7105,3990) 7105,5070 7150,5115 v1(7155,5115) 7155,5120 7365,5330 v1(7720,5330)
  other v2: 1785,5965 1790,6040 4345,6240 4425,6245 4505,6245
12V: C12.1 C14.1 C30.1 C32.1 R22.1 U1.2 U3.1 U6.1 | length 1620
  Top Layer w30: R22.1@1865,4860 1865,5065 2538.52,5738.52 2653.52,5738.52 2722.67,5807.67 v4(2722.67,5871.14) U6.1@2589.63,5871.14 2543.6,5871.14 U6.1@2538.52,5866.06
  other v2: 670,5795 745,5795 3510,6455 3585,6455 2875,6495 2110,6540 2205,6540
12V_1: D2.1 J2.1 J4.2 | length 9.7
  Bottom Layer w30: D2.1@783.13,6559 D2.1@790,6552.13
+12V: #R3.2 R2.1 R7.2 R11.2 | length 1202.6
  Top Layer w30: v1(470,1785) 470,1245 535,1180 R7.2@783.2,1180 ; v1(585,2345) R11.2@585,2438.2 ; #R3.2@860,1755 910,1755 v1(930,1775)
  Bottom Layer w30: v1(1469.46,4290.79) 1470.48,4291.8 R2.1@1620,4291.8
-12V: #R2.2 J2.3 R8.2 R36.2 | length 6241.7
  Top Layer w30: v1(560.47,2094.84) 520,2054.37 520,1455 565,1410 R8.2@783.2,1410 ; v1(780,2095) 868.2,2095 #R2.2@873.2,2100 ; #R2.2@873.2,2103.94 873.2,2114.53 873.2,2393.27 1015,2535.08 R36.2@1015,2835 1023.77,2843.77 1064.99,2843.77 1100,2878.79 v1(1100,2905)
  Bottom Layer w30: v1(560.47,2094.84) 779.84,2094.84 v1(780,2095) ; v1(1100,2905) 1110,2915 1110,4506.26 1255,4651.26 J2.3@1255,6910
\O\E\: ?.25 ?.48 U14.25 U14.48 U17.25 U17.48 U20.4 | length 10542.1
  Top Layer w10: v3(3107.98,1389.51) 3105,1386.53 3105,1050 3175.37,979.63 3260.37,979.63 3262.5,977.5 U17.25@3308.62,977.5 3322.13,977.5 3325,974.63 ?.48@3325,805 3322.87,802.87 3212.87,802.87 3165,755 3165,295 3230,230 ?.25@3325,230 ; v3(3115,1800) 3295,1800 3308.62,1786.38 U17.48@3308.62,1552.5 3737.5,1552.5 v3(3740,1550) ; v3(4566.88,1396.13) 6173.9,1396.13 U20.4@6337.63,1232.4 6382.4,1232.4 6440,1290 v3(6870,1290) ; v1(6875,3765) 6879.33,3765 6884.33,3760 7859.14,3760 7865,3765.86 U14.48@7865,3852.24 v3(7865,3980) ; U14.25@8440,3852.24 v1(8440,3980)
  Bottom Layer w10: v3(3107.98,1389.51) 3107.98,1792.98 v3(3115,1800) ; v3(3740,1550) 3893.87,1396.13 v3(4566.88,1396.13) ; v3(6870,1290) 6872.5,1292.5 6872.5,3762.5 v1(6875,3765) ; v3(7865,3980) v1(8440,3980)
AD_CE: U5.6 U17.16 | length 1858.5
  Top Layer w10: U5.6@1040,1160 1333.6,1160 1378.12,1115.47 2049.9,1115.47 2109.8,1175.37 2849.25,1175.37 U17.16@2853.5,1179.63
AD_CE_FPGA: P2.38 U17.33 | length 2279.5
  Top Layer w10: U17.33@3308.62,1177.5 3482.5,1177.5 v3(3505,1200)
  Bottom Layer w10: v3(3505,1200) 3525,1220 3525,1666.57 3724.22,1865.78 4865.78,1865.78 P2.38@4990,1990
AD_CEA: U14.8 U18.9 | length 6523.5
  Top Layer w10: U18.9@5265,544.61 v6(6851.79,544.61) ; v1(7865,3100) 8040,3275 U14.8@8040,3395
  Bottom Layer w10: v6(6851.79,544.61) 7034.65,544.61 ; 7040.05,550 7618.24,550 7757.61,410.63 8335.81,410.63 8395.56,470.39 8395.56,550 8515,669.44 8515,2375 7865,3025 v1(7865,3100)
AD_CEA_FPGA: P2.43 U14.41 | length 5325.8
  Top Layer w10: P2.43@4490,1990 4490,1940 4615,1815 v1(6095,1815) ; v1(6600,3635) 6870,3635 7925,3635 8040,3750 U14.41@8040,3852.24
  Bottom Layer w10: v1(6095,1815) 6600,2320 v1(6600,3635)